# Altium PCB Mag256_9mm.PcbDoc (part 1 of 6)
Units mm, origin at the board's own origin, x right, y up, seen from the top; angles counter-clockwise.
Board outline 174.75 x 142 mm, 6 copper layers (L1 (SIG), L2 (GND), L3 (SIG), L4 (GND), L5 (PWR), L6 (SIG)), stack 1.597 mm thick; 756 components, 438 nets, 2517 pads, 2145 vias.
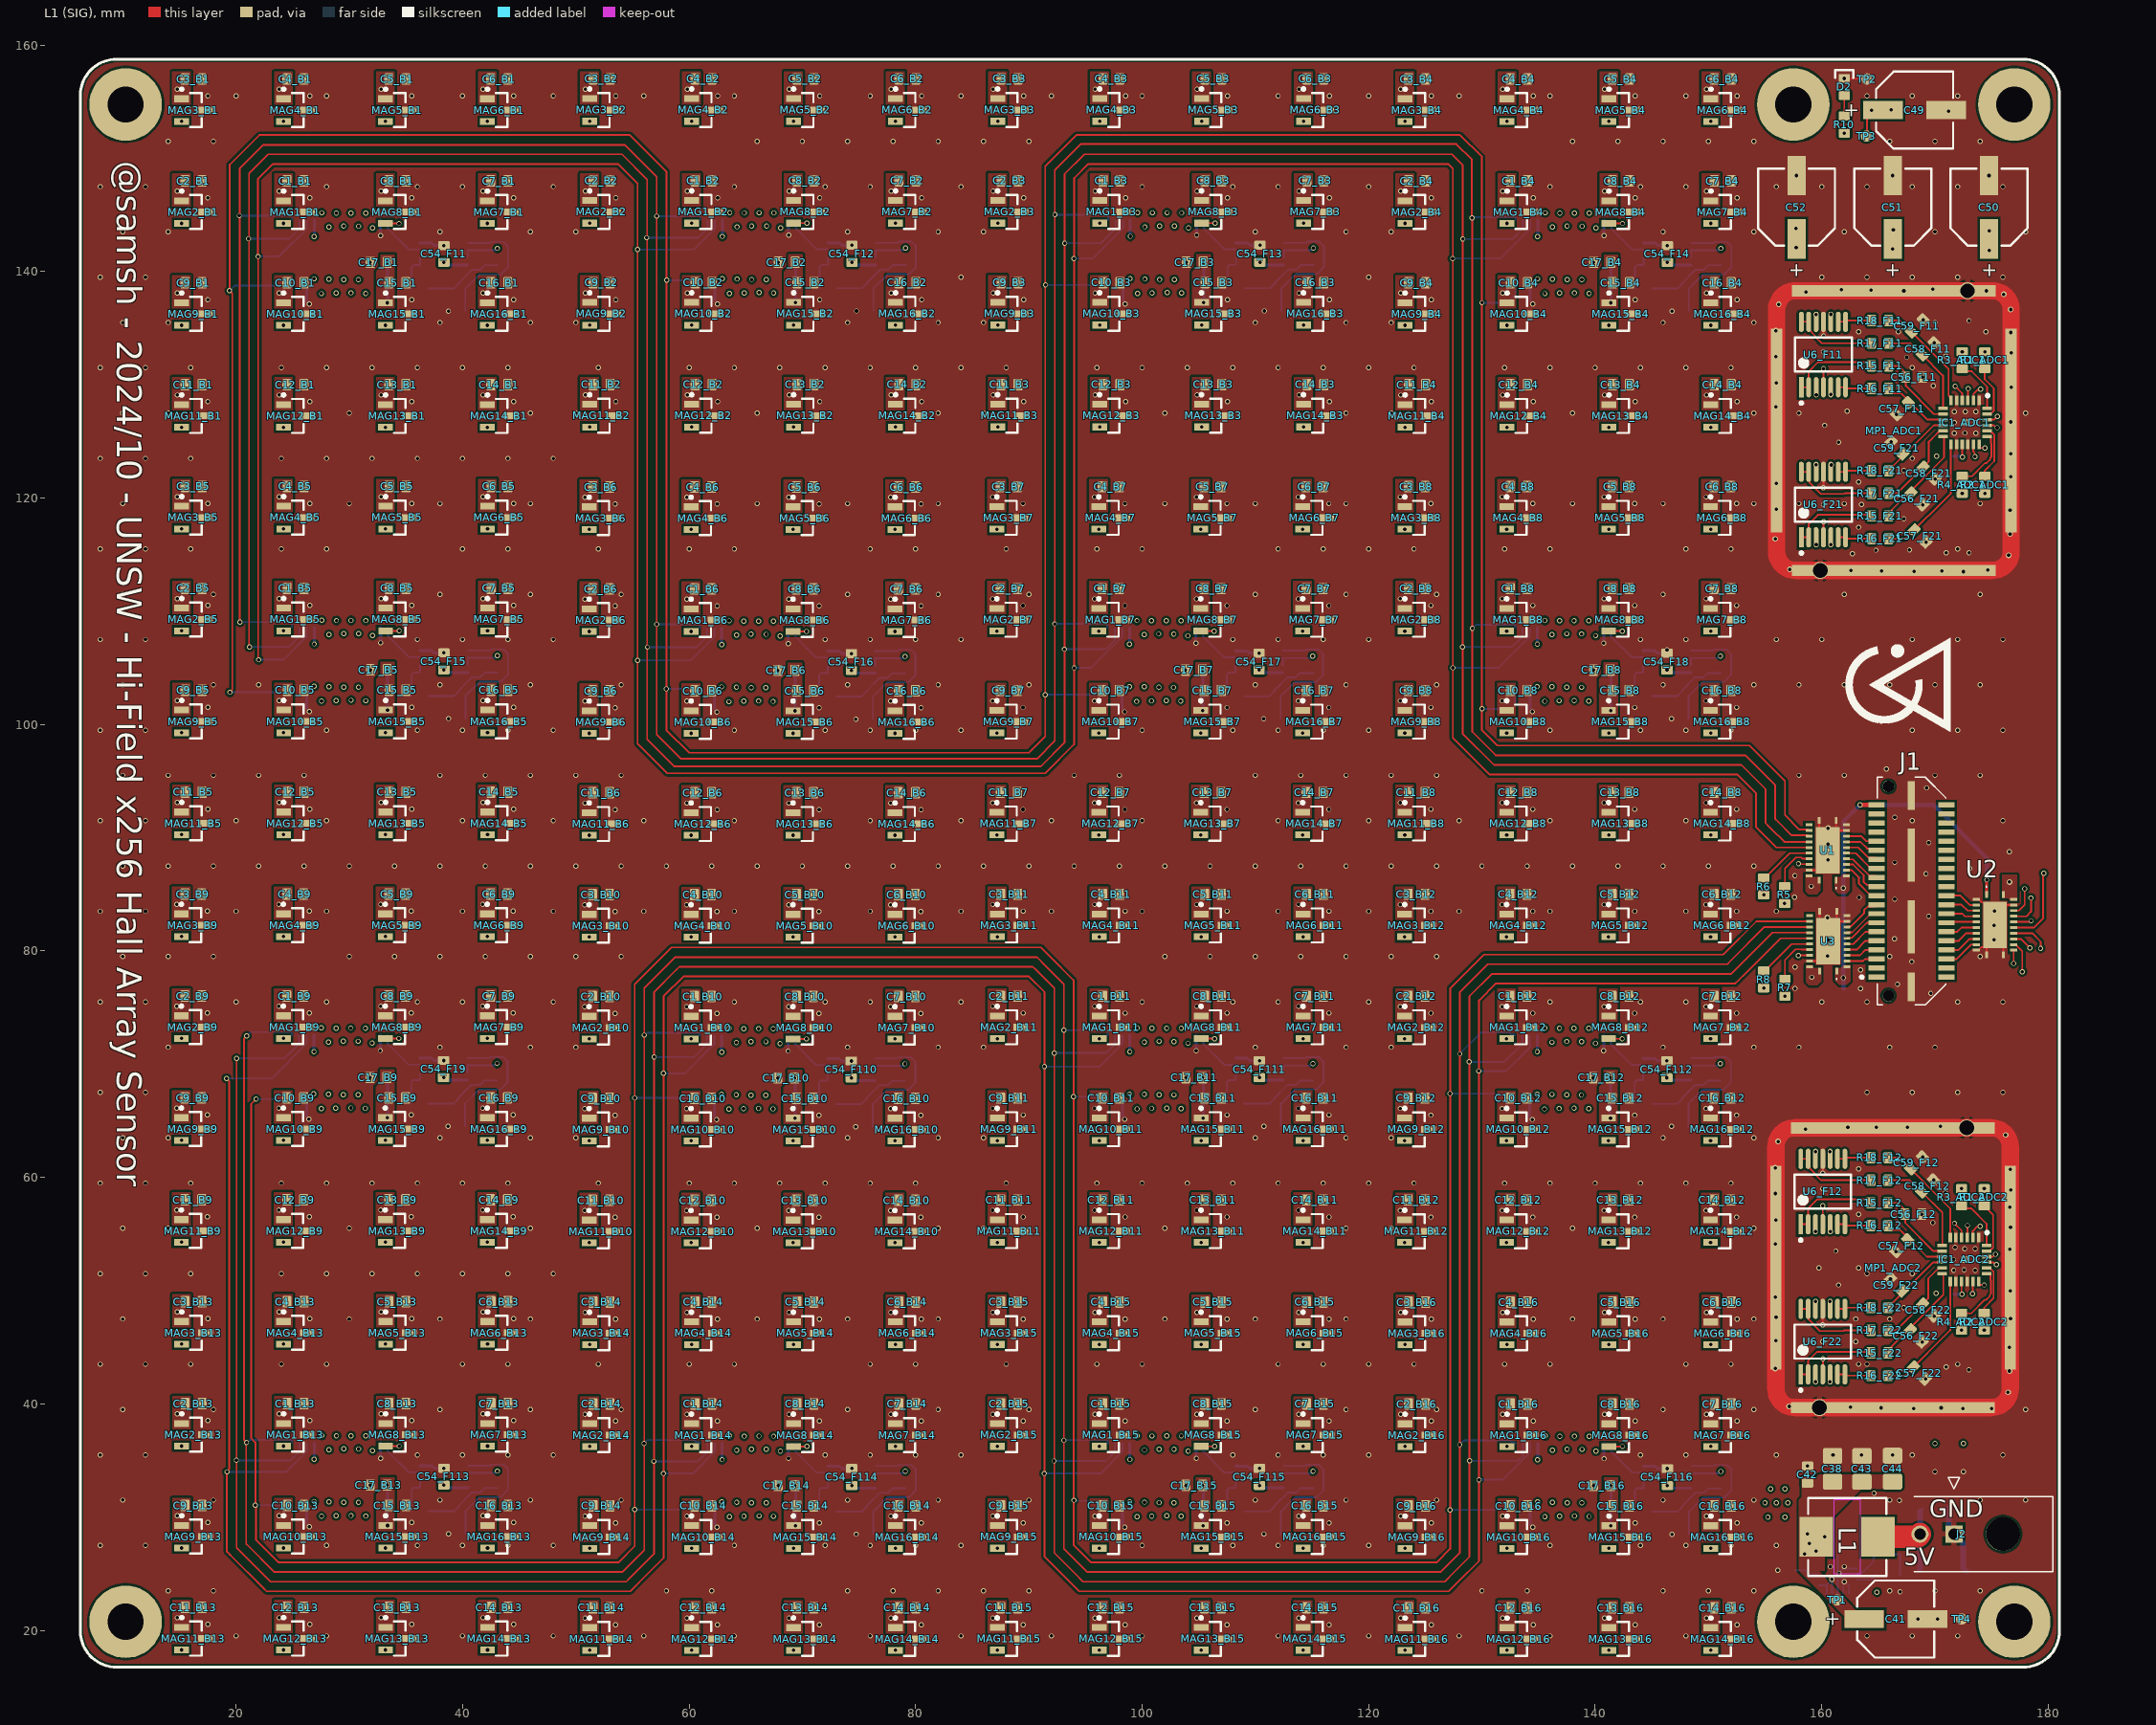
[diagram p0: L1 (SIG) view]
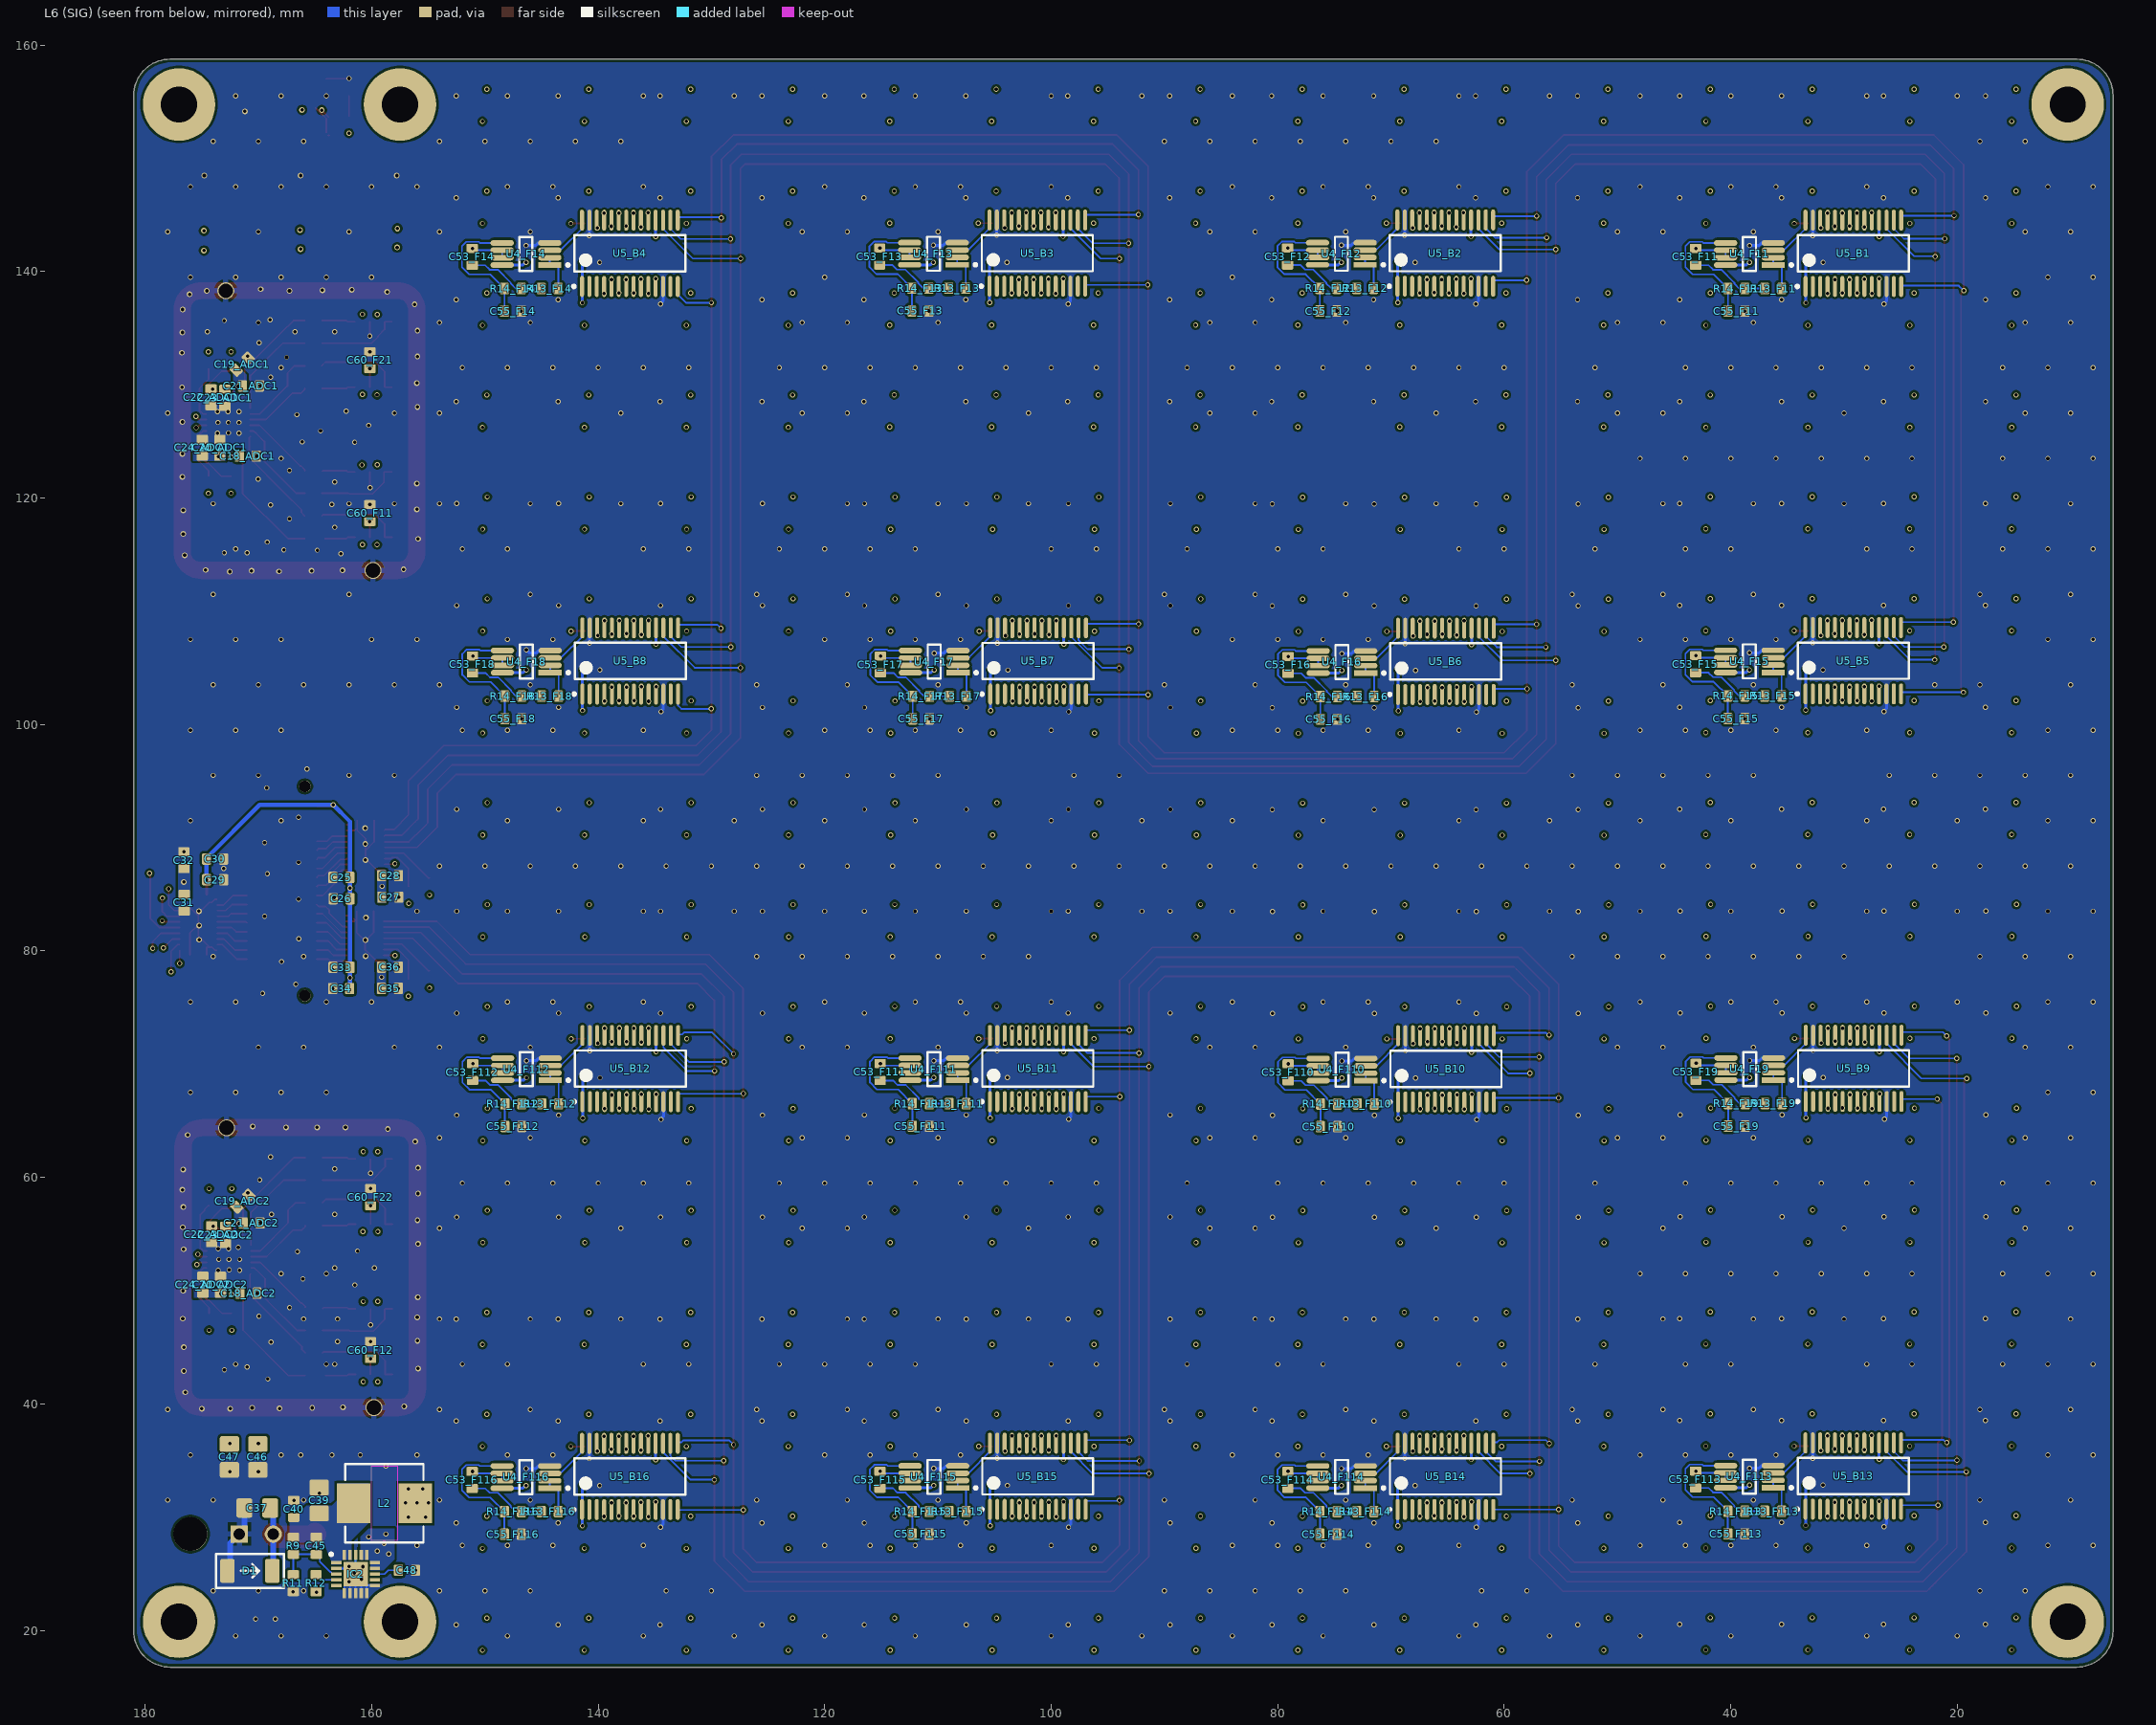
[diagram p1: L6 (SIG) view, seen from below]
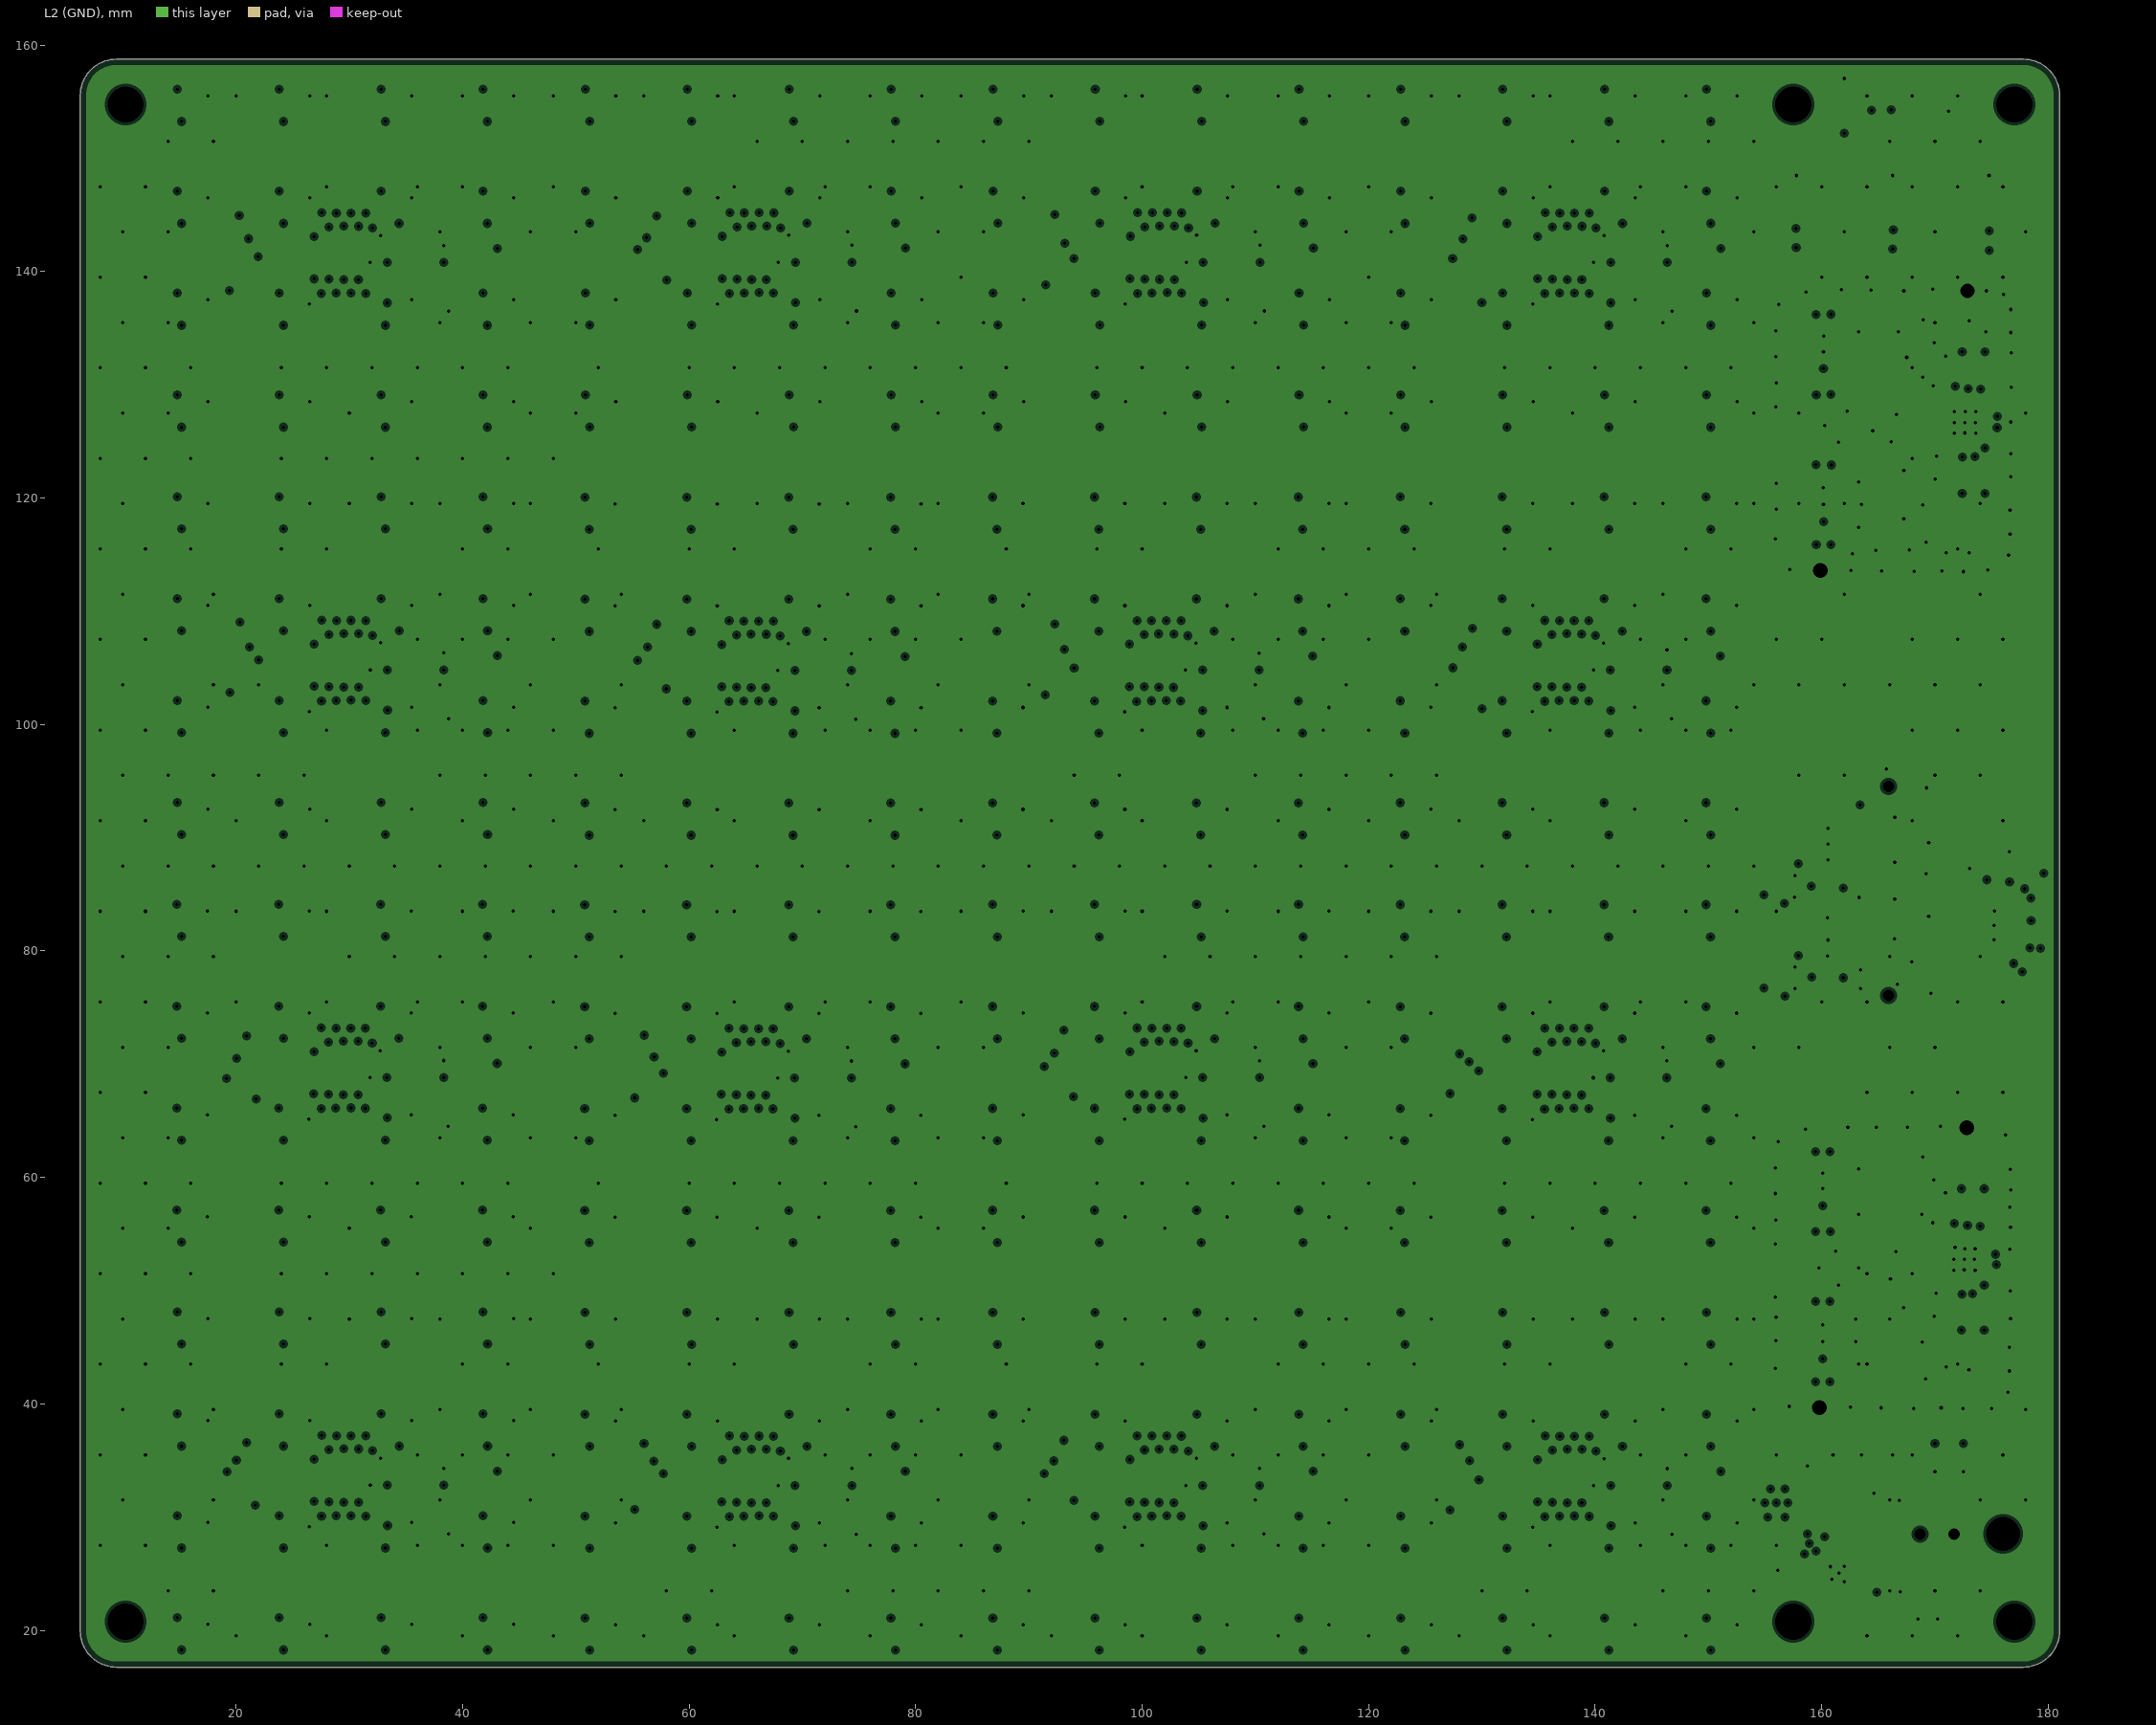
[diagram p2: L2 (GND), clearances drawn from the general rule]
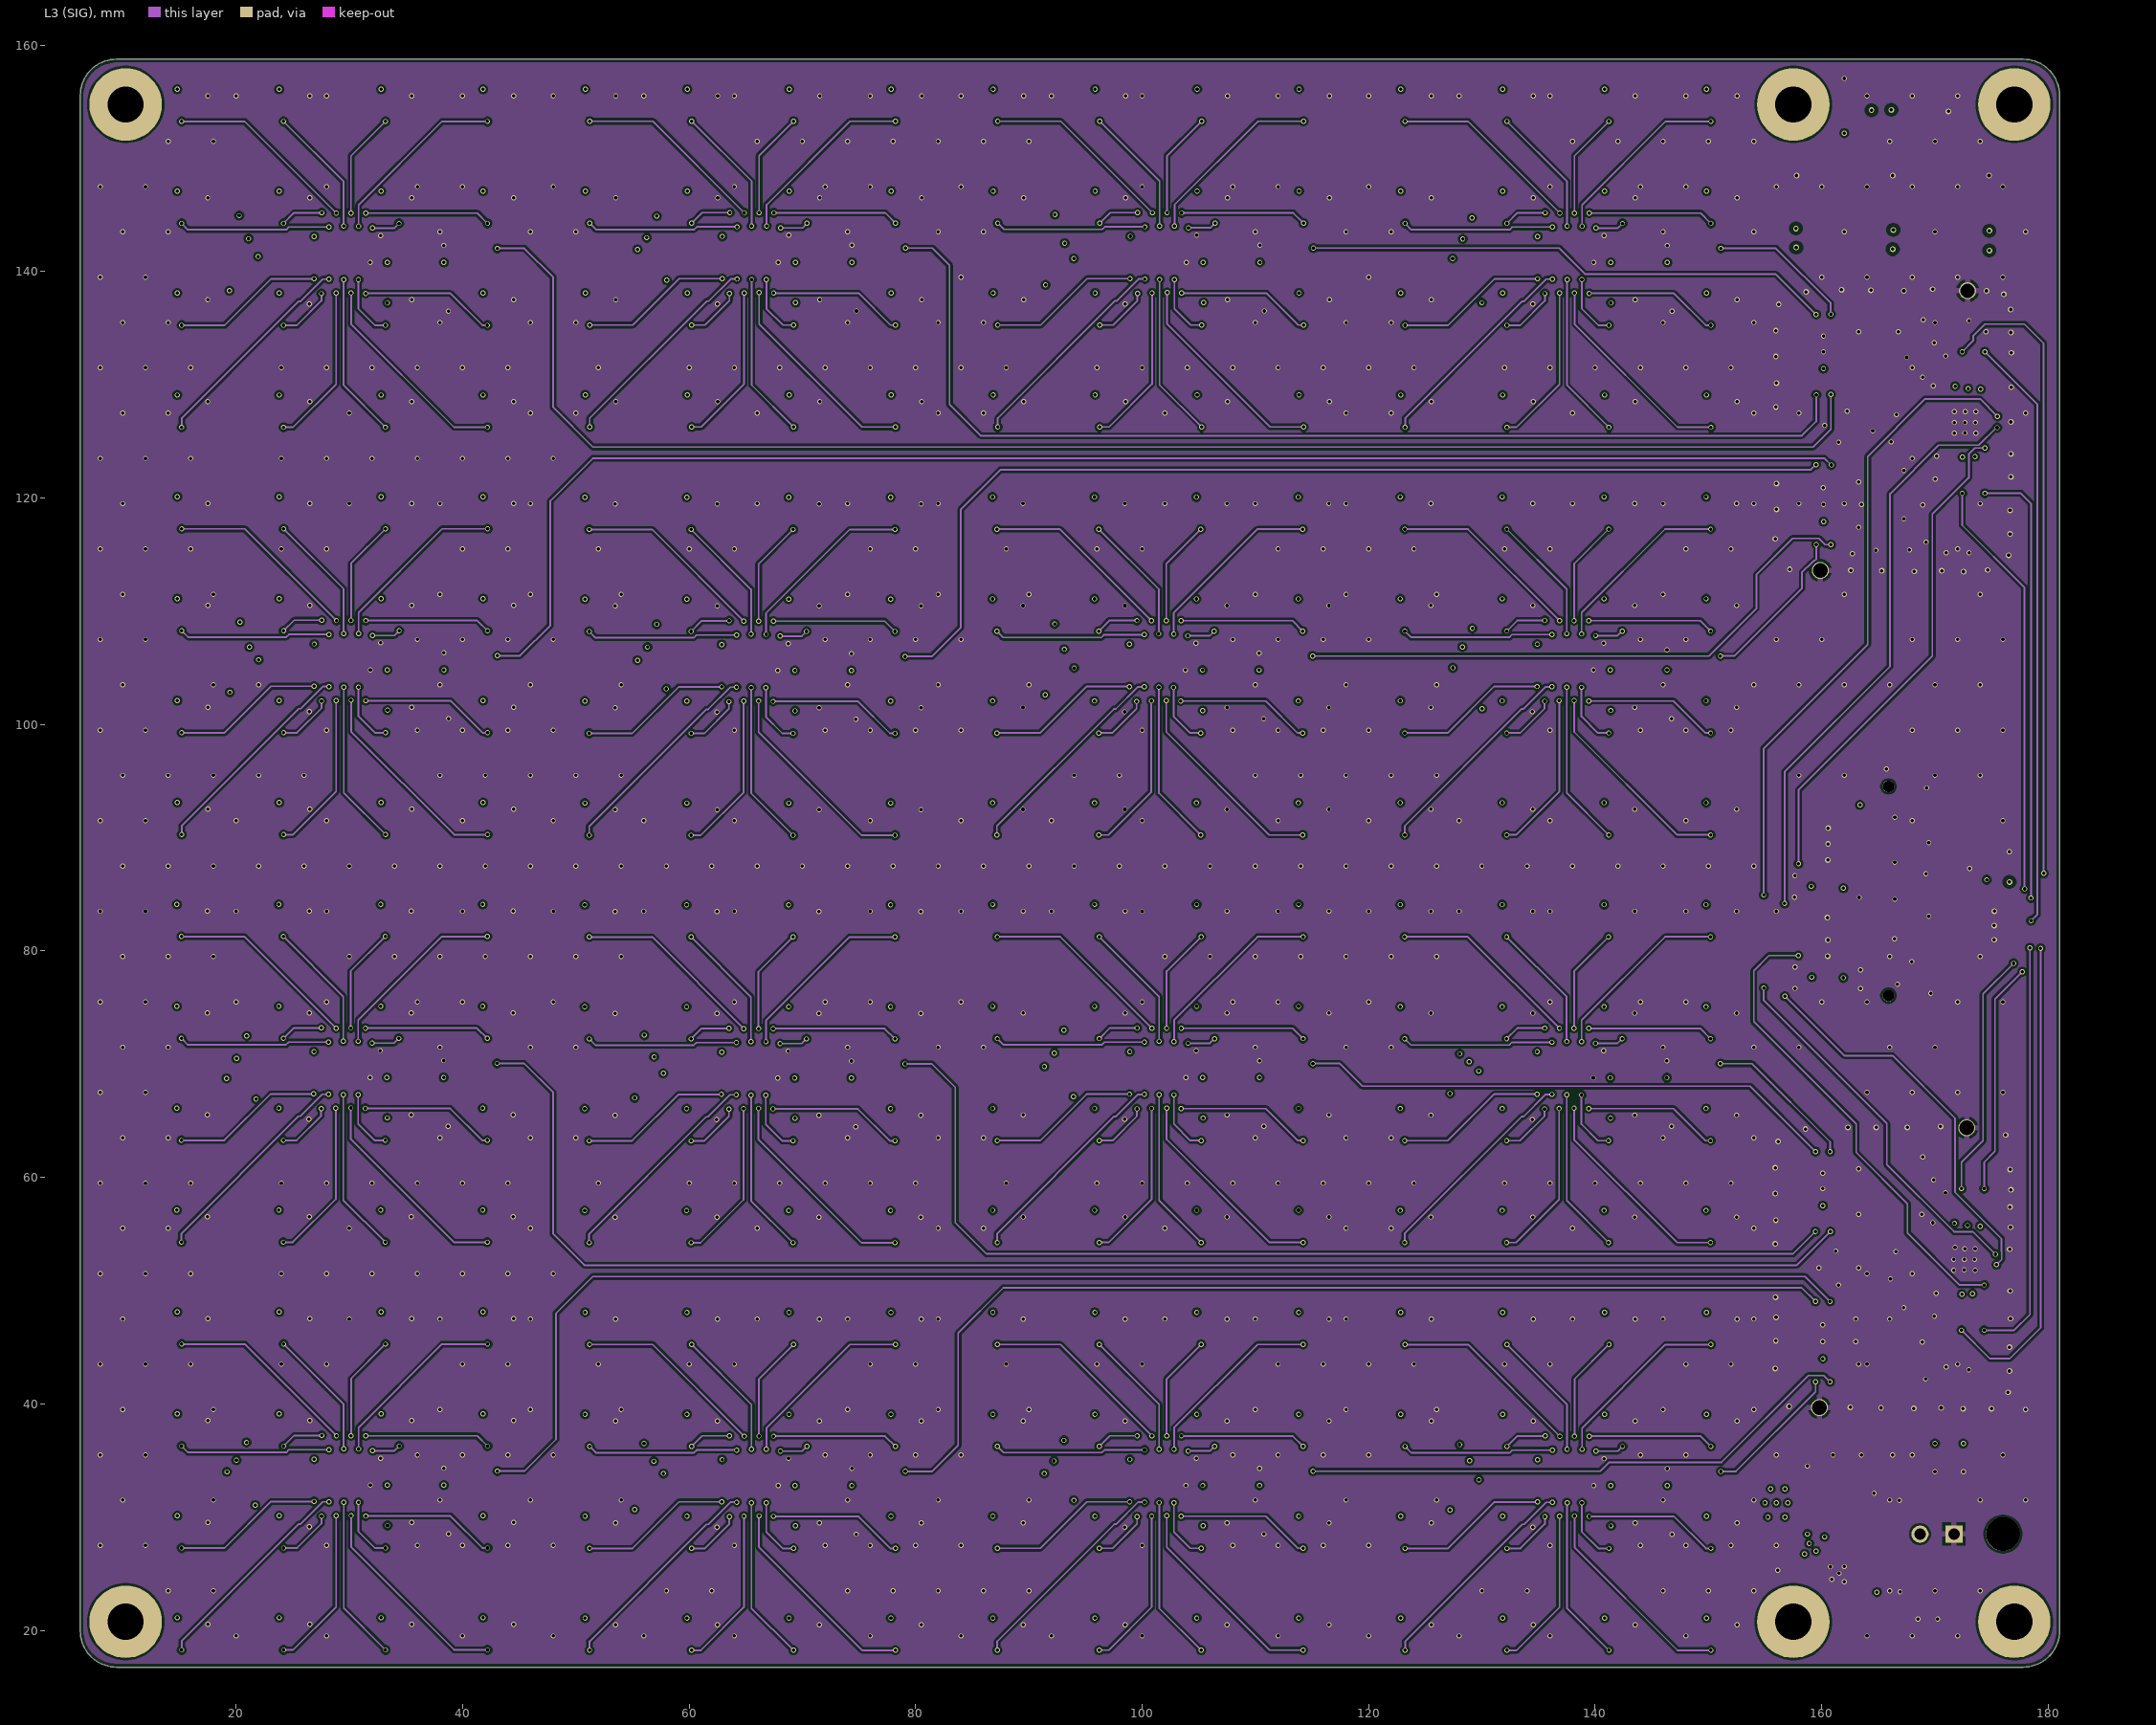
[diagram p3: L3 (SIG)]